# Altium PCB PCB_EPS_2.PcbDoc (part 3 of 3)
Units mm, origin at the board's own origin, x right, y up, seen from the top; angles counter-clockwise.
Board outline 92.15 x 89.13 mm, 4 copper layers (Top Layer, Signal Layer 1, Signal Layer 2, Bottom Layer), stack 0.778 mm thick; 345 components, 202 nets, 1199 pads, 343 vias.
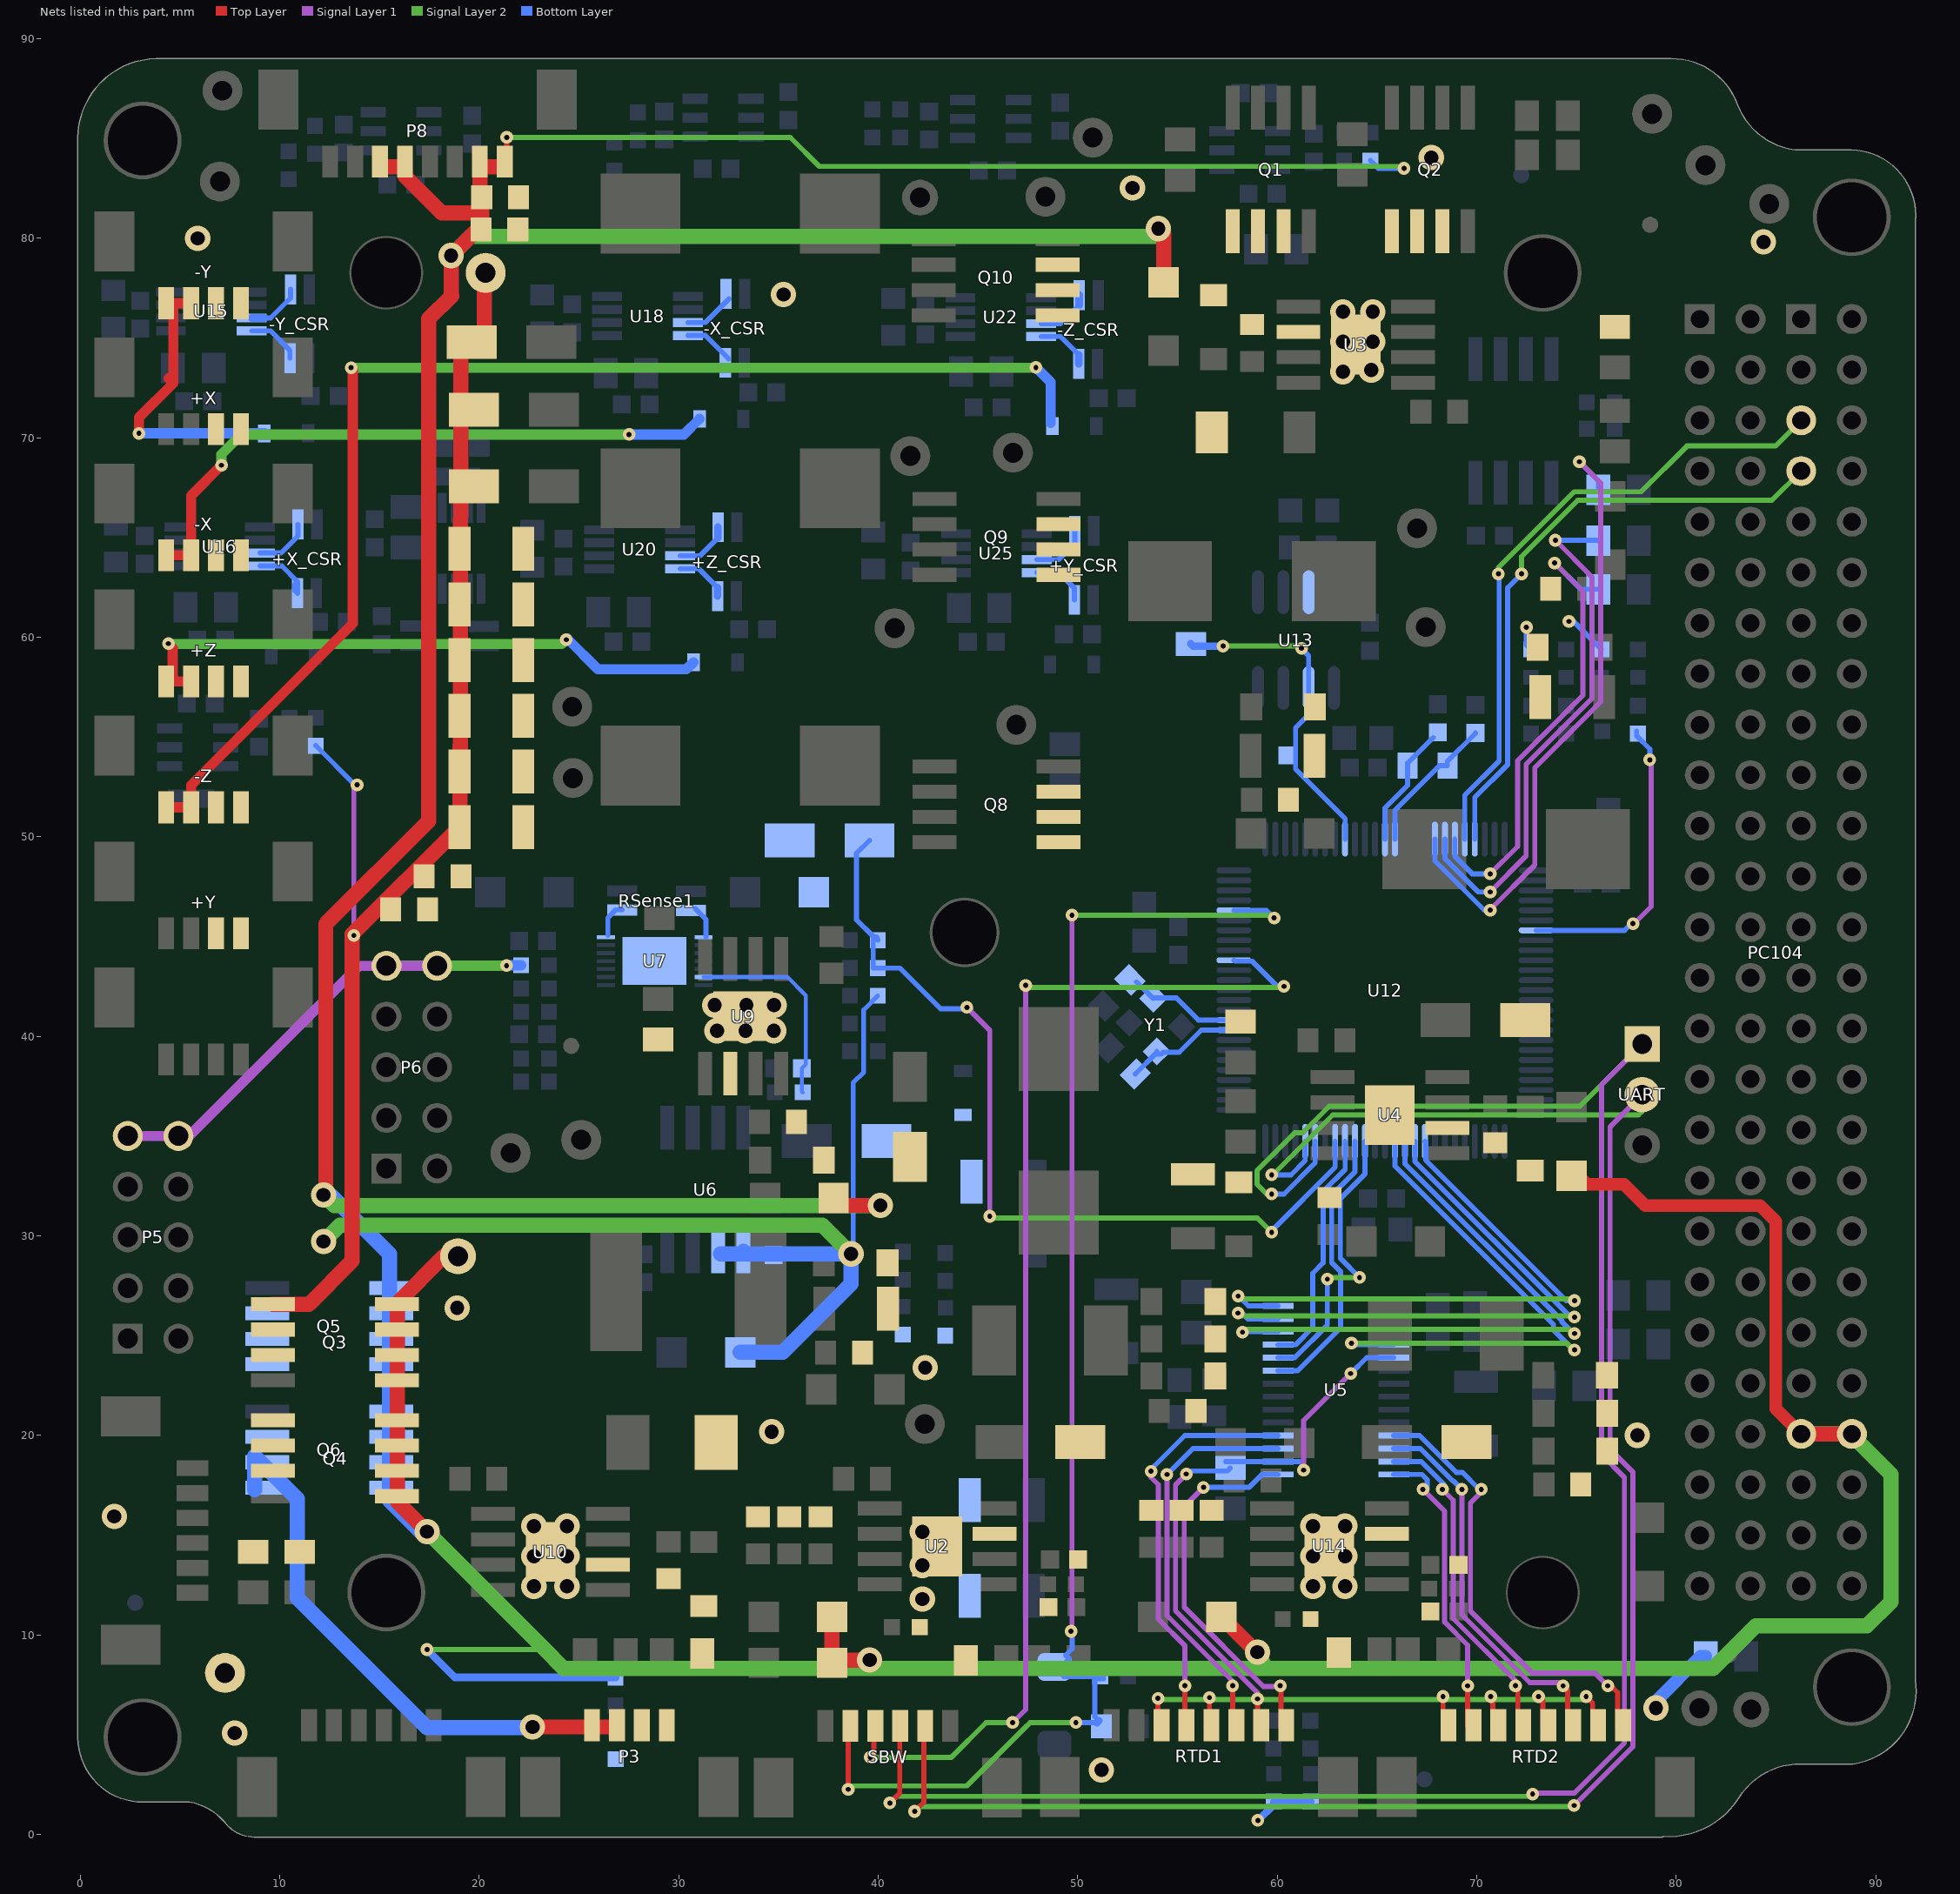
[diagram p5: the nets of this part, all layers, seen from the top]

## Via types
v1: diameter 0.635, hole 0.254, Top Layer to Bottom Layer, tented both sides, 254 vias
v2: diameter 1.27, hole 0.711, Top Layer to Bottom Layer, tented both sides, 53 vias
v3: diameter 1.27, hole 0.711, Top Layer to Bottom Layer, 27 vias
v4: diameter 0.762, hole 0.381, Top Layer to Bottom Layer, tented both sides, 9 vias

## Nets (pads, with @x,y where several pads share a name; then routed paths per layer and width w, separated by ;. In a path a pad name is that pad's centre, name@x,y a point inside that pad or via, vN(x,y) a via of type N, cw(c..) or ccw(c..) an arc to the next point about the centre after c; other vN are vias at no path point) (continued)
PANEL+Z: +Z.3 +Z.4 D20.2 | length 30.2
  Top Layer w0.508: +Z.4@4.306,57.796 +Z.4@4.676,57.796 ; v1@4.631,59.471 4.631,57.841 +Z.4@4.676,57.796 ; +Z.3@5.556,57.796 +Z.4@4.676,57.796
  Signal Layer 2 w0.508: v1(4.416,59.686) 4.435,59.667 24.137,59.667 v1(24.357,59.886)
  Bottom Layer w0.508: v1(24.357,59.886) 24.406,59.936 25.946,58.396 30.376,58.396 D20.2@30.736,58.756
PANEL-X: -X.3 -X.4 D19.2 | length 31.5
  Top Layer w0.508: -X.4@4.306,64.113 -X.3@5.556,64.113 5.556,67.106 v1(7.076,68.626)
  Signal Layer 2 w0.508: v1(7.076,68.626) 7.076,69.166 8.076,70.166 v1@27.306,70.166
  Bottom Layer w0.508: v1@27.506,70.226 v1(27.506,70.166) 30.256,70.166 D19.2@31.036,70.946
PANEL-Y: -Y.3 -Y.4 D17.2 | length 15.2
  Top Layer w0.508: v1(2.946,70.226) 2.946,71.016 4.666,72.736 ; 4.426,72.976 4.666,72.736 ; -Y.3@5.676,76.746 4.426,76.746 4.666,76.506 4.666,72.736
  Bottom Layer w0.508: v1(2.946,70.226) D17.2@9.226,70.226
PANEL-Z: -Z.3 -Z.4 D21.2 | length 64.1
  Top Layer w0.508: -Z.4@4.306,51.479 -Z.3@5.556,51.479 5.556,52.59 13.656,60.69 13.656,73.436 v1(13.576,73.516)
  Signal Layer 2 w0.508: v1(13.576,73.516) v1@47.936,73.516
  Bottom Layer w0.508: v1(47.896,73.526) 48.636,72.786 D21.2@48.636,70.746
PC104_GPIO0: R89.2 U12.18 | length 31.9
  Signal Layer 1 w0.254: v1(70.669,46.33) 70.669,46.359 72.904,48.594 72.904,53.462 76.204,56.762 76.204,67.736 v1(75.14,68.8)
  Bottom Layer w0.254: U12.18@67.896,49.891 67.896,48.802 70.368,46.33 v1(70.669,46.33) ; v1(75.14,68.8) 76.091,67.849 R89.2@76.091,67.4
PC104_GPIO1: R90.2 U12.19 | length 26.6
  Signal Layer 1 w0.254: v1(70.669,47.24) 72.472,49.043 72.472,53.641 75.772,56.941 75.772,63.029 v1(73.936,64.865)
  Bottom Layer w0.254: U12.19@68.396,49.891 68.396,48.912 70.068,47.24 v1(70.669,47.24) ; v1(73.936,64.865) 76.076,64.865 R90.2@76.091,64.85
PC104_GPIO2: R91.2 U12.20 | length 23.9
  Signal Layer 1 w0.254: v1(70.67,48.15) 72.04,49.52 72.04,53.82 75.314,57.094 75.314,62.312 v1(73.897,63.73)
  Signal Layer 1 w0.381: v1@73.897,63.683 v1(73.897,63.73)
  Bottom Layer w0.254: U12.20@68.896,49.891 68.896,49.023 69.769,48.15 v1(70.67,48.15) ; v1(73.897,63.73) 75.217,62.41 R91.2@76.091,62.41
PGND: 3V3_ANT.2 3V3_EPS.2 3V3_OBDH.2 5_V.2 5V_BEACON_LED.2 5V_MAIN_RADIO_LED.2 +X.1 +X.2 +Y.1 +Y.2 +Z.1 +Z.2 -X.1 -X.2 -Y.1 -Y.2 -Z.1 -Z.2 C2.2 C3.2 C4.2 C5.2 C6.2 C7.2 C8.2 C9.2 C10.2 C12.2 C13.2 C14.2 C15.2 C16.2 C17.2 C18.2 C19.2 C20.2 C22.2 C23.2 C24.2 C25.2 C27.2 C28.2 C29.2 C30.2 C31.2 C45.1 C46.2 C47.1 C48.2 C49.2 C50.2 C53.2 C54.2 C55.2 C56.2 C77.2 C78.2 C79.2 C80.2 C81.2 C82.2 C117.2 C118.2 C126.1 C127.1 C131.2 C132.2 D1.2 D2.2 D3.2 D4.2 D5.2 D6.2 D8.2 D9.2 D10.2 FB3.2 FB4.2 P3.3 P3.4 pad.5 Q1.1 Q2.1 Q8.1 Q9.1 Q10.1 R6.1 R7.1 R13.1 R14.1 R19.1 R24.1 R35.2 R46.2 R54.1 R59.1 R85.2 R_ESD.1 U2.7 U2.9 U3.6 U3.9 U4.6 U4.9 U7.15 U9.6 U9.9 U10.6 U10.9 U14.7 U14.9 VBus.2 | length 10.3
  Bottom Layer w0.254: v1(72.486,60.506) 72.486,59.625 3V3_OBDH.2@72.716,59.395 ; v1@74.709,60.929 3V3_ANT.2@76.243,59.395
  Bottom Layer w0.381: v1(59.026,0.706) 59.818,1.498 5V_MAIN_RADIO_LED.2@59.818,1.652 5V_BEACON_LED.2@61.671,1.652
  Bottom Layer w0.635: v2(78.98,6.34) 78.98,6.69 81.22,8.93 R_ESD.1@81.474,8.93
  other v1: 74.616,60.796
  other v2: 51.186,3.236 7.736,5.086 1.706,15.946 78.046,20.006 34.656,20.186 42.35,23.4 18.89,26.39 35.246,77.186 84.366,79.816 5.886,79.996 52.736,82.526 67.716,84.046
  other v3: 42.206,11.796 22.736,12.436 24.396,12.436 61.786,12.436 63.396,12.436 42.206,13.485 22.736,13.946 24.396,13.946 61.786,13.946 63.396,13.946 42.206,15.174 22.736,15.456 24.396,15.456 61.786,15.456 63.396,15.456 31.916,40.286 33.341,40.286 34.766,40.286 31.796,41.566 33.386,41.566 34.776,41.566 63.286,73.316 64.706,73.396 63.286,74.816 64.786,74.816 63.286,76.316 64.786,76.316
PIO: D5.1 R44.2 R64.2 U12.68 | length 44.7
  Signal Layer 1 w0.254: v1(44.436,41.456) 45.586,40.306 v1(45.586,30.986)
  Signal Layer 2 w0.254: v1(45.586,30.986) 45.656,31.056 45.816,30.896 58.996,30.896 v1(59.712,30.18)
  Bottom Layer w0.254: D5.1@39.556,49.826 38.906,49.176 38.906,45.846 39.76,44.992 39.9,44.992 cw(c39.724,44.816) R64.2@39.909,44.982 ; R64.2@39.973,44.816 ccw(c39.724,44.816) R64.2@39.909,44.982 ; v1@44.636,41.386 43.126,41.386 41.086,43.426 R44.2@39.973,43.426 39.743,43.426 39.743,44.816 R64.2@39.909,44.982 ; v1@45.586,30.826 v1(45.586,30.986) ; v1(59.712,30.18) 59.712,30.26 62.896,33.444 U12.68@62.896,34.741
RTD0: RTD2.8 U5.11 | length 22.6
  Top Layer w0.254: v1(76.56,7.45) 76.711,7.45 76.716,7.455 77.056,7.115 RTD2.8@77.056,5.395
  Signal Layer 1 w0.254: v1(70.226,17.296) 70.226,17.161 69.681,16.616 69.681,11.198 72.779,8.1 75.911,8.1 76.56,7.451 v1(76.56,7.45)
  Bottom Layer w0.254: U5.11@65.836,19.996 67.127,19.996 68.973,18.15 69.275,18.15 70.129,17.296 v1(70.226,17.296)
RTD1: RTD2.6 U5.12 | length 19.2
  Top Layer w0.254: v1(74.32,7.45) 74.556,7.214 RTD2.6@74.556,5.395
  Signal Layer 1 w0.254: v1(69.249,17.296) 69.249,11.019 72.658,7.61 74.17,7.61 74.32,7.46 v1(74.32,7.45)
  Bottom Layer w0.254: U5.12@65.836,19.346 67.167,19.346 68.794,17.719 68.827,17.719 v1(69.249,17.296)
RTD2: RTD1.6 U5.17 | length 20.2
  Top Layer w0.254: RTD1.6@57.676,5.395 57.758,5.477 v1(57.758,7.455)
  Signal Layer 1 w0.254: v1(54.466,18.046) 54.466,10.974 57.758,7.682 v1(57.758,7.455)
  Bottom Layer w0.254: v1(54.466,18.046) 55.766,19.346 U5.17@60.036,19.346
RTD3: RTD1.4 U5.18 | length 20.4
  Top Layer w0.254: RTD1.4@55.176,5.395 55.37,5.589 v1(55.37,7.455)
  Signal Layer 1 w0.254: v1(53.666,18.206) 53.666,17.904 54.034,17.536 54.034,10.795 55.37,9.459 v1(55.37,7.455)
  Bottom Layer w0.254: v1@53.836,18.466 55.366,19.996 U5.18@60.036,19.996
RTD4: RTD2.4 U5.13 | length 16.5
  Top Layer w0.254: v1(71.933,7.455) 72.056,7.332 RTD2.4@72.056,5.395
  Signal Layer 1 w0.254: v1(68.273,17.296) 68.818,16.751 68.818,10.822 71.933,7.707 v1(71.933,7.455)
  Bottom Layer w0.254: U5.13@65.836,18.696 67.206,18.696 v1@68.362,17.54
RTD5: RTD2.2 U5.14 | length 15.1
  Top Layer w0.254: v1(69.54,7.45) 69.54,5.411 RTD2.2@69.556,5.395
  Signal Layer 1 w0.254: v1(67.296,17.296) 68.386,16.206 68.386,10.644 69.54,9.489 v1(69.54,7.45)
  Bottom Layer w0.254: U5.14@65.836,18.046 67.245,18.046 67.506,17.785 v1@67.506,17.296
RTD6: RTD1.8 U5.15 | length 19.1
  Top Layer w0.254: v1(60.146,7.455) 60.176,7.425 RTD1.8@60.176,5.395
  Signal Layer 1 w0.254: v1(56.296,17.396) 55.33,16.43 55.33,11.391 59.303,7.418 60.108,7.418 v1(60.146,7.455)
  Bottom Layer w0.254: v1@56.196,17.396 58.586,17.396 59.236,18.046 U5.15@60.036,18.046
RTD_COMMON: R27.2 RTD1.3 RTD1.5 RTD1.7 RTD2.1 RTD2.3 RTD2.5 RTD2.7 U5.5 U5.16 | length 60.5
  Top Layer w0.254: RTD1.3@53.926,5.395 54.016,5.485 v1(54.016,6.825) ; RTD1.5@56.426,5.395 56.596,5.565 v1(56.596,6.865) ; RTD1.7@58.926,5.395 59.006,5.475 v1(59.006,6.795) ; RTD2.1@68.306,5.395 v1(68.306,6.915) ; v1(70.697,6.915) 70.806,6.807 RTD2.3@70.806,5.395 ; v1(73.089,6.915) 73.306,6.698 RTD2.5@73.306,5.395 ; v1(75.48,6.915) 75.806,6.59 RTD2.7@75.806,5.395
  Signal Layer 1 w0.254: v1(55.436,18.066) 54.898,17.528 54.898,11.212 59.006,7.104 v1(59.006,6.795) ; v1(61.316,18.266) 61.316,20.746 v1(63.676,23.106)
  Signal Layer 2 w0.254: v1(54.016,6.825) 54.075,6.766 56.596,6.766 73.089,6.766 75.331,6.766 v1(75.48,6.915)
  Bottom Layer w0.254: v1@55.306,18.066 55.463,18.223 57.497,18.223 R27.2@57.646,18.372 ; R27.2@57.406,18.686 60.026,18.686 U5.16@60.036,18.696 61.116,18.696 61.316,18.496 v1(61.316,18.266) ; v1@63.681,23.101 64.476,23.896 U5.5@65.836,23.896
RTD_CS: U5.24 U12.65 | length 15
  Signal Layer 2 w0.254: v1@62.376,27.836 62.376,27.856 62.436,27.916 v1(64.116,27.916)
  Bottom Layer w0.254: U5.24@60.036,23.896 60.873,23.896 62.506,25.529 v1(62.506,27.836) ; v1(64.116,27.916) 63.155,28.877 63.155,31.868 64.396,33.108 U12.65@64.396,34.741
RTD_DIN: U5.27 U12.60 | length 31.4
  Signal Layer 2 w0.254: v1@58.031,26.226 58.267,25.99 74.839,25.99 v1(74.896,25.933)
  Bottom Layer w0.254: v1(58.031,26.136) 58.228,26.136 58.518,25.846 U5.27@60.036,25.846 ; U12.60@66.896,34.741 66.896,33.725 74.689,25.933 v1(74.896,25.933)
RTD_DOUT: U5.26 U12.61 | length 31.8
  Signal Layer 2 w0.254: v1(58.256,25.176) 58.4,25.32 74.622,25.32 74.833,25.109 v1(74.896,25.109)
  Bottom Layer w0.254: v1(58.256,25.176) 58.276,25.196 U5.26@60.036,25.196 ; U12.61@66.396,34.741 66.396,33.615 74.274,25.737 74.274,25.675 74.839,25.109 v1(74.896,25.109)
RTD_DRDY: U5.25 U12.67 | length 12.1
  Bottom Layer w0.254: U5.25@60.036,24.546 60.912,24.546 61.776,25.41 61.776,28.133 62.292,28.649 62.292,32.225 63.396,33.329 U12.67@63.396,34.741
RTD_RESET: U5.4 U12.62 | length 27.7
  Signal Layer 2 w0.254: v1(63.716,24.626) 74.499,24.626 74.839,24.286 v1(74.896,24.286)
  Bottom Layer w0.254: v1(63.716,24.626) 63.796,24.546 U5.4@65.836,24.546 ; U12.62@65.896,34.741 65.896,33.504 73.842,25.558 73.842,25.284 74.839,24.286 v1(74.896,24.286)
RTD_SCLK: U5.28 U12.59 | length 30.1
  Signal Layer 2 w0.254: v1@58.036,26.906 58.093,26.848 74.804,26.848 v1(74.896,26.756)
  Bottom Layer w0.254: 58.289,26.758 58.551,26.496 U5.28@60.036,26.496 ; U12.59@67.396,34.741 67.441,34.696 67.441,33.791 74.476,26.756 v1(74.896,26.756)
  other v1: 58.036,26.986
RTD_START: U5.23 U12.66 | length 14
  Bottom Layer w0.254: U5.23@60.036,23.246 61.017,23.246 63.176,25.405 63.176,28.207 62.724,28.659 62.724,32.046 63.896,33.219 U12.66@63.896,34.741
SRC: C39.2 R38.1 U7.13 | length 10.5
  Bottom Layer w0.2: U7.13@31.246,42.976 35.441,42.976 36.366,42.051 36.366,38.596 C39.2@36.166,38.396 36.166,37.235 R38.1@36.204,37.196
SYSTEM_ON: R60.2 U12.32 | length 15.7
  Signal Layer 1 w0.254: v1(77.826,45.656) 77.884,45.656 78.74,46.512 78.74,54.052 78.666,53.978 v1(78.666,53.86)
  Bottom Layer w0.254: U12.32@72.971,45.316 77.406,45.316 v1@77.786,45.696 ; R60.2@78.006,55.306 78.006,55.064 78.666,54.404 v1(78.666,53.86)
TCK: SBW.3 U12.91 | length 62.9
  Top Layer w0.254: v1(39.6,3.87) 39.78,4.05 SBW.3@39.78,5.45
  Signal Layer 1 w0.254: v1(46.73,5.61) 47.386,6.266 v1(47.386,42.556)
  Signal Layer 2 w0.254: v1(39.6,3.87) 43.663,3.87 45.403,5.61 v1(46.73,5.61) ; v1(47.386,42.556) 47.486,42.456 48.903,42.456 ; 48.925,42.458 60.278,42.458 v1(60.331,42.51) v1@60.38,42.51
  Bottom Layer w0.254: U12.91@57.821,43.816 57.866,43.771 58.734,43.771 59.995,42.51 v1(60.331,42.51) v1@60.38,42.51
TDO: C57.1 P11.2 R62.1 SBW.2 U12.96 | length 73
  Top Layer w0.254: v1(38.49,2.26) SBW.2@38.49,5.45
  Signal Layer 1 w0.254: v1@49.706,9.964 49.706,10.186 v1(49.706,46.076)
  Signal Layer 2 w0.254: v1(38.49,2.26) 38.662,2.432 44.433,2.432 47.352,5.352 47.61,5.61 v1(49.906,5.61) ; v1(49.706,46.076) 49.717,46.065 59.706,46.065 v1(59.836,45.936)
  Bottom Layer w0.254: v1@49.716,10.186 49.716,9.316 49.391,8.991 49.406,8.976 49.566,8.816 48.986,8.236 49.306,7.916 R62.1@51.127,7.916 ; v1(49.906,5.61) C57.1@50.958,5.61 ; C57.1@51.054,5.706 50.849,5.911 50.849,7.809 R62.1@51.287,7.809 ; U12.96@57.821,46.316 59.455,46.316 v1(59.836,45.936)
  Bottom Layer w0.381: C57.1@50.958,5.61 C57.1@51.054,5.706
  other v1: 49.656,10.186
UART_DEBUG_RX: SBW.5 U12.71 UART.2 | length 99.3
  Top Layer w0.254: v1(41.82,1.16) 42.28,1.62 SBW.5@42.28,5.45
  Signal Layer 1 w0.254: v1(74.876,1.456) 77.826,4.406 77.826,18.158 76.678,19.306 76.678,35.468 UART.2@78.286,37.076
  Signal Layer 2 w0.254: v1(41.82,1.16) 42.064,1.404 72.534,1.404 72.536,1.406 72.538,1.404 73.054,1.404 73.056,1.406 v1@74.926,1.406 ; v1(59.712,33.06) 59.772,33.06 62.781,36.069 78.099,36.069 78.286,36.256 UART.2@78.286,37.076
  Bottom Layer w0.254: v1(59.712,33.06) 60.68,33.06 61.396,33.776 U12.71@61.396,34.741
UART_DEBUG_TX: SBW.4 U12.70 UART.1 | length 106
  Top Layer w0.254: v1(40.58,1.58) 41.07,2.07 SBW.4@41.07,5.45
  Signal Layer 1 w0.254: v1(72.796,2.026) 72.848,2.078 74.888,2.078 77.394,4.585 77.394,17.892 76.246,19.04 76.246,37.576 UART.1@78.286,39.616
  Signal Layer 2 w0.254: v1(40.58,1.58) 40.912,1.912 72.622,1.912 v1@72.776,2.066 ; v1(59.712,32.1) 59.47,32.1 58.98,32.59 58.98,33.28 60.868,35.168 61.269,35.168 62.602,36.501 75.171,36.501 UART.1@78.286,39.616
  Bottom Layer w0.254: v1(59.712,32.1) 60.331,32.1 61.896,33.665 U12.70@61.896,34.741 ; v1(72.796,2.026) v1@72.848,2.078
UART_EPS_RX_Beacon_TX: PC104.H2-7 U12.22 | length 30.9
  Signal Layer 2 w0.254: v1(72.24,63.18) 72.24,64.05 75.057,66.867 84.787,66.867 PC104.H2-7@86.256,68.336
  Bottom Layer w0.254: U12.22@69.896,49.891 69.896,51.975 71.548,53.627 71.548,62.488 v1(72.24,63.18)
UART_EPS_TX_BEACON_RX: PC104.H2-5 U12.21 | length 32.6
  Signal Layer 2 w0.254: v1(71.08,63.18) 71.08,63.5 74.879,67.299 78.239,67.299 80.53,69.59 84.97,69.59 PC104.H2-5@86.256,70.876
  Bottom Layer w0.254: U12.21@69.396,49.891 69.396,52.086 71.116,53.806 71.116,63.074 v1@71.01,63.18
V_CHARGING_BATTERIES: C37.1 P3.1 P3.2 Q5.1 Q6.1 R37.2 R93.2 U6.5 U6.6 | length 84.2
  Top Layer w0.762: v2(22.667,5.39) 26.565,5.39 26.595,5.36 P3.2@26.63,5.395
  Signal Layer 2 w0.762: v2(12.19,29.72) 13.015,30.545 37.185,30.545 v2(38.63,29.1)
  Bottom Layer w0.229: v2(38.63,29.1) 38.736,29.206 38.736,37.672 39.268,38.204 39.268,41.331 R37.2@39.973,42.036
  Bottom Layer w0.762: Q6.1@8.74,17.276 8.74,18.97 10.88,16.83 10.88,11.86 12.995,9.745 17.38,5.36 v2@22.667,5.36 ; U6.6@32.091,29.096 U6.5@33.361,29.096 ; R93.2@33.075,24.17 35.21,24.17 38.63,27.59 v2(38.63,29.1) 33.365,29.1 U6.5@33.361,29.096 ; U6.5@33.236,29.221 U6.5@33.361,29.096
V_SENSE0_N: RSense1.2 U7.8 | length 1.6
  Bottom Layer w0.254: RSense1.2@30.828,46.399 31.366,45.861 U7.8@31.366,44.986
V_SENSE0_P: RSense1.1 U7.7 | length 1.7
  Bottom Layer w0.254: 26.446,45.076 26.446,45.946 26.841,46.341 RSense1.1@27.161,46.341
VBAT_COMMON: P5.9 P5.10 P6.9 P6.10 R43.1 | length 25.8
  Signal Layer 1 w0.508: P5.9@2.38,35.01 P5.10@4.92,35.01 5.443,35.01 13.969,43.536 P6.9@15.346,43.536 P6.10@17.886,43.536
  Signal Layer 2 w0.508: P6.9@15.346,43.536 15.356,43.546 v1(21.366,43.546)
  Bottom Layer w0.508: v1(21.366,43.546) 21.388,43.568 R43.1@22.096,43.568
VBus: C126.2 C127.2 P8.1 P8.2 P8.5 P8.6 PC104.H2-45 PC104.H2-46 Q3.3 Q4.3 Q5.3 Q6.3 R2.2 R9.2 R15.2 R20.2 R31.1 R45.2 R50.2 R56.2 VBus_TP.1 | length 352.7
  Top Layer w0.254: P8.1@21.376,83.676 v1(21.376,85.056)
  Top Layer w0.635: R20.2@75.076,33.022 75.518,32.58 77.382,32.58 78.443,31.519 84.194,31.519 84.986,30.727 84.986,21.346 PC104.H2-45@86.256,20.076
  Top Layer w0.762: v2@12.071,32.131 12.306,32.366 12.306,45.636 17.466,50.796 17.466,75.966 18.616,77.116 18.586,77.146 v2(18.586,79.136) C126.2@19.831,80.381 ; P8.6@15.026,83.576 P8.5@16.276,83.576 ; P8.5@16.276,83.846 P8.5@16.276,83.576 ; v2(17.38,15.18) 15.891,16.669 15.891,26.641 18.236,28.986 VBus_TP.1@18.93,28.986 ; C127.2@20.026,82.046 20.026,83.576 P8.1@21.276,83.576 ; C126.2@20.121,80.776 20.121,81.346 ; C127.2@20.121,82.046 20.121,81.346 ; R9.2@37.68,10.906 R56.2@37.68,8.606 37.82,8.746 v2(39.566,8.746) ; R50.2@37.76,31.896 38.13,31.526 38.134,31.53 v2(40.1,31.53) ; v2(54.036,80.486) 54.306,80.216 R15.2@54.306,77.791 ; R2.2@57.19,10.906 59,9.097 v2(59,9.14) ; PC104.H2-45@86.256,20.076 PC104.H2-46@88.796,20.076 ; P8.5@16.276,83.576 16.276,83.106 18.121,81.261 20.036,81.261 20.121,81.346
  Signal Layer 2 w0.254: v1(17.38,9.27) 23.17,9.27 23.23,9.33 ; v1(21.376,85.056) 35.586,85.056 37.041,83.601 v1@66.201,83.601
  Signal Layer 2 w0.381: 58.97,8.332 v2@59.269,8.631
  Signal Layer 2 w0.762: v2(12.19,32.05) 12.73,31.51 v2@39.716,31.51 ; v2(17.38,15.18) 23.23,9.33 24.228,8.332 58.97,8.332 72.296,8.332 72.298,8.33 81.852,8.33 83.972,10.45 89.55,10.45 90.766,11.666 90.766,18.046 88.796,20.016 PC104.H2-46@88.796,20.076 PC104.H2-45@86.256,20.076 ; v2(18.586,79.136) 19.546,80.096 53.996,80.096 v2@54.086,80.186 ; v2(59,9.14) 59,8.9 v2@59.269,8.631
  Bottom Layer w0.254: R45.2@64.666,83.894 65.054,83.506 v1(66.346,83.506)
  Bottom Layer w0.381: v1(17.38,9.27) 18.777,7.873 26.814,7.873 R31.1@26.824,7.863
  Bottom Layer w0.762: v2@12.171,32.031 12.568,32.031 15.49,29.109 15.49,16.73 v2@17.04,15.18
VPANELS: C77.1 C78.1 C79.1 C80.1 C81.1 C82.1 C117.1 C118.1 D11.1 D13.1 D15.1 Q3.1 Q4.1 R70.2 Vpanels.1 | length 72.9
  Top Layer w0.254: C79.1@19.006,50.496 19.035,50.525 C79.1@19.076,50.566 ; C79.1@19.167,50.491 19.26,53.275 C81.1@19.353,56.06
  Top Layer w0.762: Q3.1@9.656,26.576 11.456,26.576 13.626,28.746 13.626,45.116 C79.1@19.006,50.496 ; C79.1@19.035,50.525 19.041,53.284 19.046,56.071 19.052,58.858 19.058,61.646 19.064,64.433 19.07,67.568 19.078,71.408 19.085,74.797 D15.1@19.086,75.248 ; D15.1@20.246,75.336 Vpanels.1@20.246,78.706
  Signal Layer 1 w0.254: v1(13.716,45.056) v1@13.716,52.446
  Bottom Layer w0.254: R70.2@11.805,54.571 13.77,52.606 v1(13.876,52.606)
VREF+: C63.1 J_V4.1 U12.9 U13.6 | length 16.7
  Signal Layer 2 w0.254: v1(57.28,59.562) 60.998,59.562 v1@61.21,59.35
  Bottom Layer w0.254: v1@61.204,59.441 61.571,59.074 U13.6@61.571,57.466 61.571,56.121 60.916,55.466 60.916,53.396 63.396,50.916 U12.9@63.396,49.891
  Bottom Layer w0.381: J_V4.1@55.664,59.674 55.776,59.562 v1(57.28,59.562)
  other v1: 61.21,59.446
VREF_TEMP: U13.3
VSENSE1_N: -Y_CSR.4 U15.7 | length 2.8
  Bottom Layer w0.254: U15.7@9.224,76.009 9.535,76.009 10.536,77.01 -Y_CSR.4@10.536,77.441
  Bottom Layer w0.381: U15.7@8.595,76.009 U15.7@9.224,76.009
VSENSE1_P: -Y_CSR.3 U15.8 | length 2.7
  Bottom Layer w0.254: U15.8@8.595,75.359 9.535,75.359 10.511,74.384 -Y_CSR.3@10.511,73.991